# Altium PCB ModuleBackup4.PcbDoc (part 2 of 3)
Units mil, origin at the board's own origin, x right, y up, seen from the top; angles counter-clockwise.
Board outline 59055.12 x 27559.06 mil, 2 copper layers (Top Layer, Bottom Layer); 175 components, 153 nets, 566 pads, 403 vias.
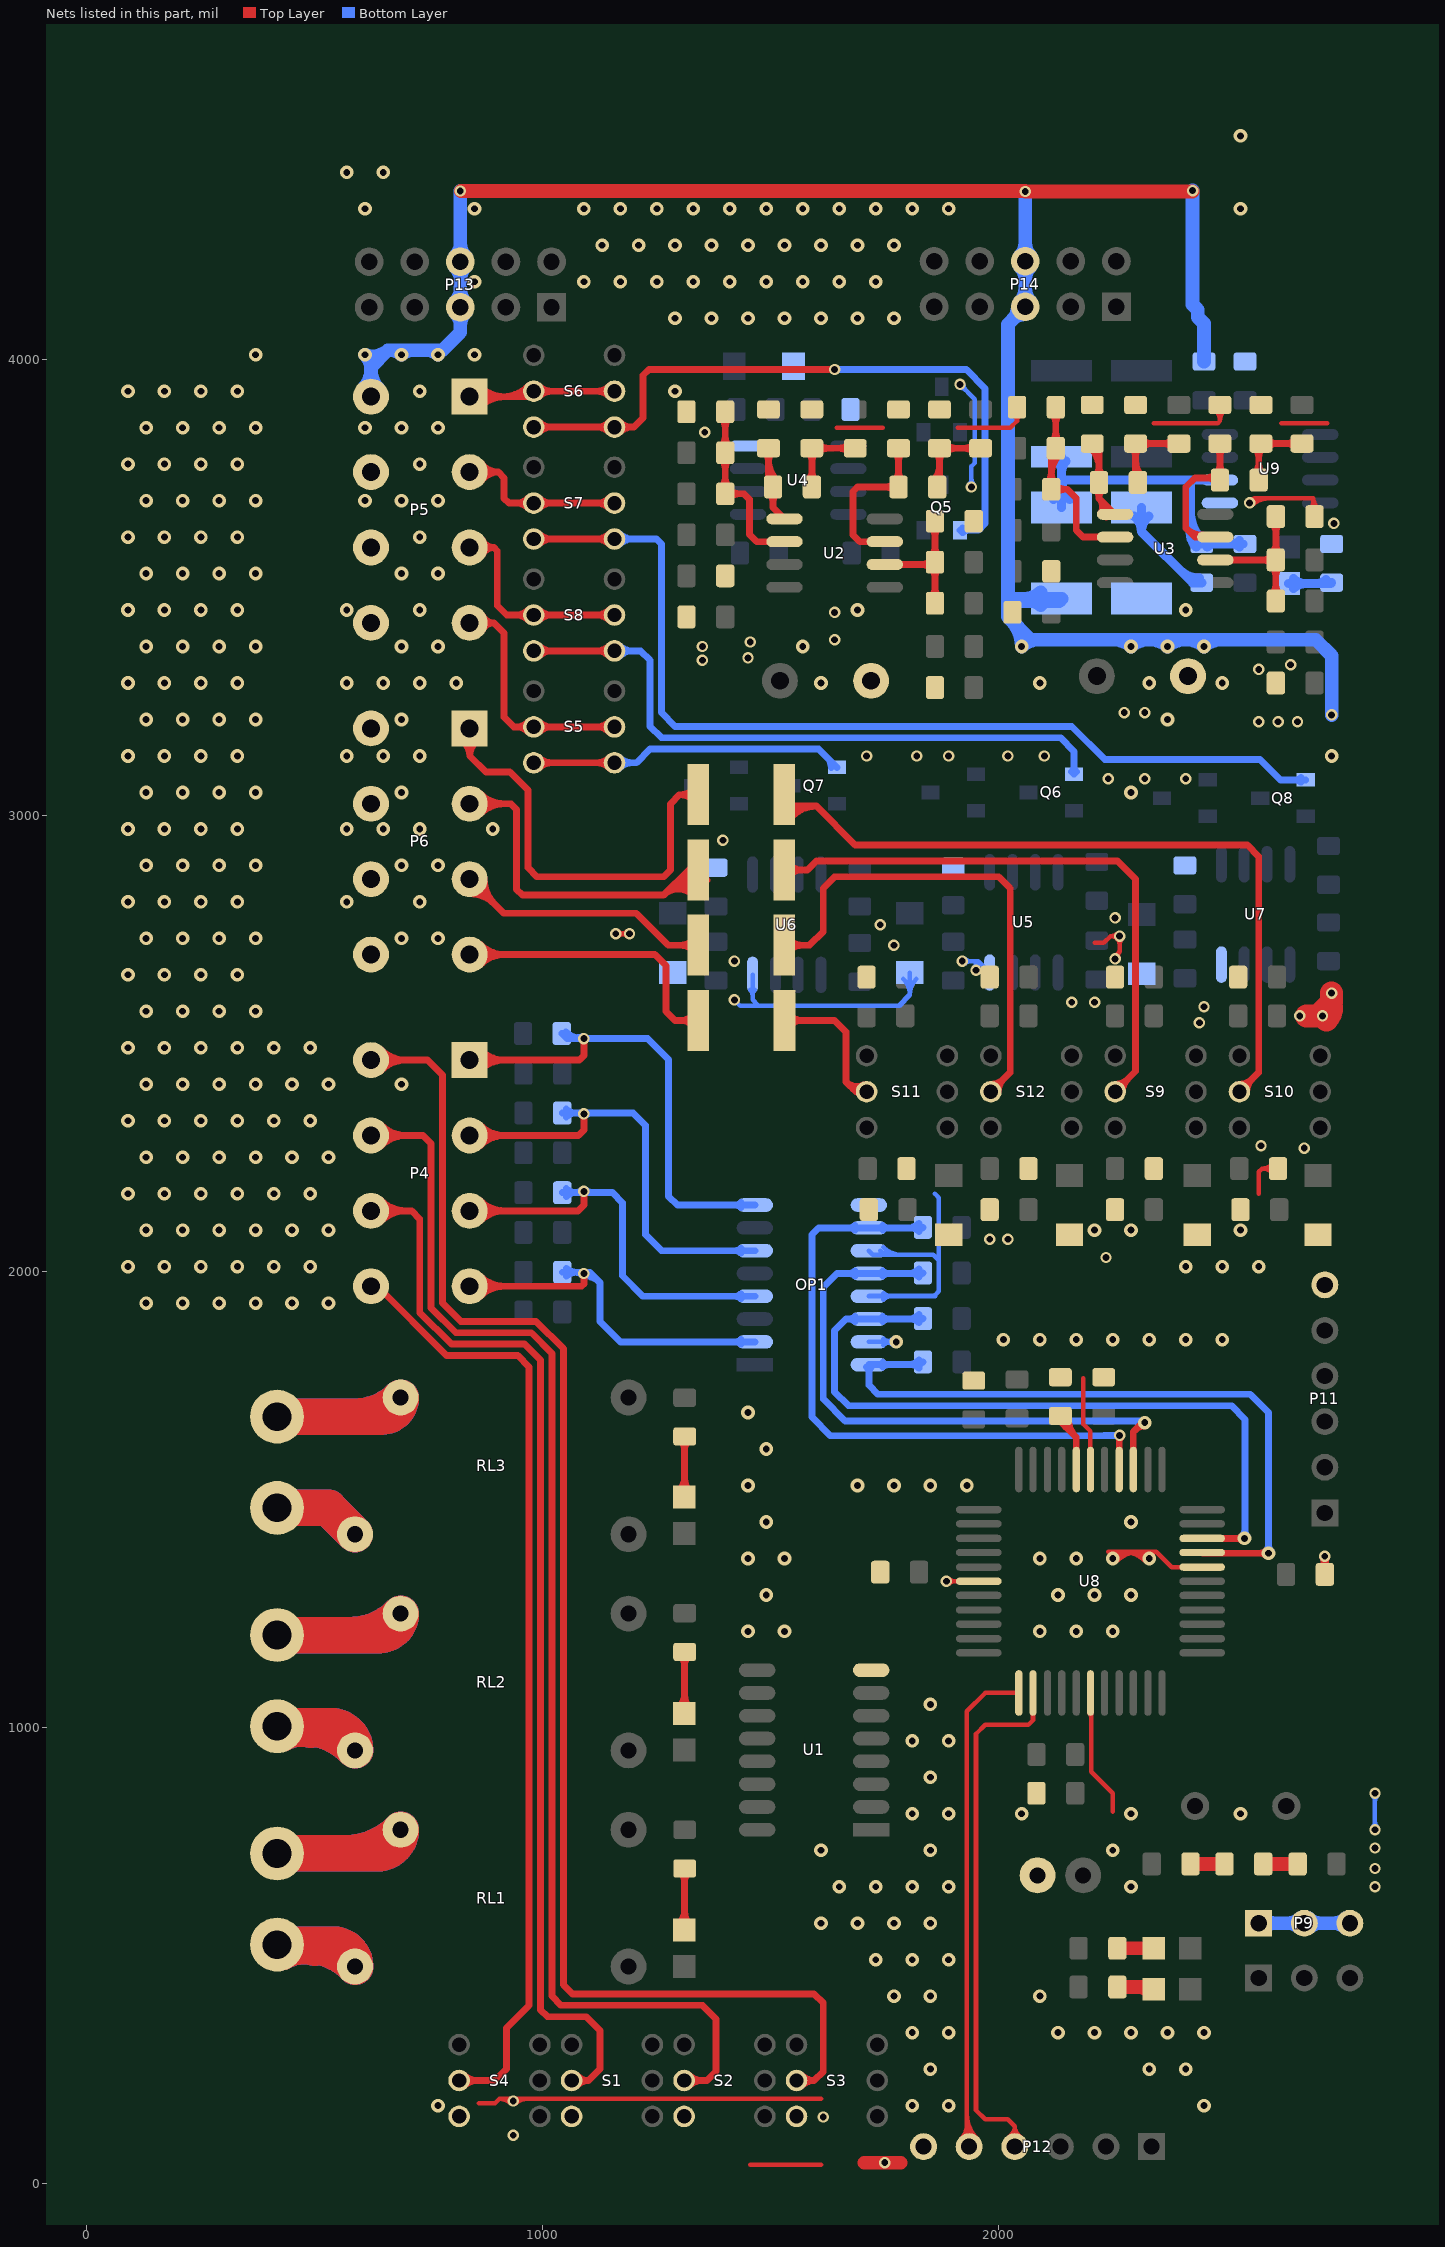
[diagram p2: the nets of this part, all layers, seen from the top]

## Via types
v1: diameter 30, hole 15, Top Layer to Bottom Layer, tented both sides, 305 vias
v2: diameter 25, hole 15, Top Layer to Bottom Layer, tented both sides, 90 vias
v3: diameter 35, hole 25, Top Layer to Bottom Layer, tented both sides, 7 vias
v4: diameter 35, hole 15, Top Layer to Bottom Layer, tented both sides, 1 vias

## Nets (pads, with @x,y where several pads share a name; then routed paths per layer and width w, separated by ;. In a path a pad name is that pad's centre, name@x,y a point inside that pad or via, vN(x,y) a via of type N, cw(c..) or ccw(c..) an arc to the next point about the centre after c; other vN are vias at no path point) (continued)
AI1: F2.1 P6.1 | length 1070.6
  Top Layer w15: P6.1@821.67,3164.14 cw(c798.87,3130.47) 839.54,3130.47 ; P6.1@839.54,3190.53 839.54,3130.46 ; P6.1@857.4,3164.14 ccw(c880.2,3130.47) 839.54,3130.47 ; F2.1@1329.11,3033.6 ccw(c1301.59,3006.08) 1301.59,3045 ccw(c1301.59,3083.92) F2.1@1329.11,3056.4 ; F2.1@1340.51,3045 1300,3045 1280,3025 1280,2880 1265,2865 987.5,2865 967.5,2885 967.5,3055 927.5,3095 875,3095 839.54,3130.46
AI2: F1.1 P6.3 | length 1178.4
  Top Layer w15: P6.3@839.54,3025.18 929.82,3025.18 942.5,3012.5 942.5,2837.5 955.18,2824.82 1264.82,2824.82 ; P6.3@851.46,3013.25 cw(c880.27,2984.45) 880.27,3025.18 cw(c880.26,3065.9) P6.3@851.46,3037.11 ; P6.3@862.07,3002.64 cw(c916.48,2948.23) 916.48,3025.18 ; P6.3@862.07,3047.71 ccw(c916.47,3102.12) 916.47,3025.18 ; 1275.54,2835.54 cw(c1307.81,2803.28) F1.1@1339.73,2835.89 ; 1286.27,2846.27 cw(c1318.42,2814.12) F1.1@1350.22,2846.61 ; 1296.99,2856.99 cw(c1329.02,2824.95) F1.1@1360.71,2857.33 ; F1.1@1329.24,2825.17 ccw(c1297.21,2792.44) 1264.82,2824.82 ; F1.1@1340.51,2880 1320,2880 1264.82,2824.82
AI3: F4.1 P6.5 | length 806.9
  Top Layer w15: P6.5@839.54,2827.95 cw(c839.54,2751.01) 893.94,2805.42 cw(c948.35,2859.82) P6.5@871.41,2859.82 ; P6.5@839.54,2842.95 cw(c839.54,2802.22) 868.33,2831.02 cw(c897.13,2859.82) P6.5@856.41,2859.82 ; P6.5@839.54,2859.82 914.36,2785 1205,2785 1275,2715 F4.1@1340.51,2715 ; F4.1@1329.11,2703.6 ccw(c1301.59,2676.08) 1301.59,2715 ccw(c1301.59,2753.92) F4.1@1329.11,2726.4
AI4: F3.1 P6.7 | length 865.9
  Top Layer w15: P6.7@839.54,2694.47 1245.53,2694.47 1270,2670 1270,2570 1290,2550 F3.1@1341.02,2550 ; P6.7@851.46,2682.54 cw(c880.26,2653.74) 880.26,2694.47 cw(c880.26,2735.2) P6.7@851.46,2706.4 ; P6.7@862.07,2671.93 cw(c916.48,2617.53) 916.48,2694.47 cw(c916.48,2771.41) P6.7@862.07,2717 ; F3.1@1329.62,2538.6 ccw(c1302.1,2511.08) 1302.1,2550 ccw(c1302.1,2588.92) F3.1@1329.62,2561.4
AOMA1: P5.1 S6.1 S6.4 | length 726.8
  Top Layer w15: P5.1@839.54,3918 968,3918 S6.4@980,3930 S6.1@1157.16,3930 ; P5.1@851.46,3906.07 cw(c880.26,3877.27) 880.26,3918 cw(c880.26,3958.73) P5.1@851.46,3929.93 ; P5.1@862.07,3895.46 cw(c916.48,3841.06) 916.48,3918 cw(c916.48,3994.94) P5.1@862.07,3940.54 ; 912.11,3918 ccw(c912.11,3997.89) S6.4@968.6,3941.4 ; 948.32,3918 ccw(c948.32,3961.68) S6.4@979.2,3930.79 ; S6.4@991.4,3918.6 cw(c1018.92,3891.08) 1018.92,3930 cw(c1018.92,3968.92) S6.4@991.4,3941.4 ; S6.1@1145.76,3918.6 ccw(c1118.24,3891.08) 1118.24,3930 ccw(c1118.24,3968.92) S6.1@1145.76,3941.4
AOMA2: P5.3 S7.1 S7.4 | length 641.9
  Top Layer w15: P5.3@839.54,3752.65 902.35,3752.65 ; P5.3@865.25,3733.82 cw(c902.35,3706.68) 902.35,3752.65 ; P5.3@865.25,3771.47 ccw(c902.35,3798.62) 902.35,3752.65 ; S7.4@968.6,3673.18 ccw(c941.08,3645.66) 941.08,3684.58 ccw(c941.08,3723.5) S7.4@968.6,3695.98 ; S7.4@991.4,3673.18 cw(c1018.92,3645.66) 1018.92,3684.58 cw(c1018.92,3723.5) S7.4@991.4,3695.98 ; S7.1@1145.77,3673.18 ccw(c1118.24,3645.66) 1118.24,3684.58 ccw(c1118.24,3723.5) S7.1@1145.77,3695.98 ; S7.1@1157.17,3684.58 S7.4@980,3684.58 925.42,3684.58 915,3695 915,3740 902.35,3752.65
AOMA3: P5.5 S8.1 S8.4 | length 694.1
  Top Layer w15: P5.5@839.54,3587.29 892.71,3587.29 ; P5.5@867.64,3572.27 cw(c892.71,3558.87) 892.71,3587.29 ; P5.5@867.64,3602.31 ccw(c892.71,3615.71) 892.71,3587.29 ; S8.4@968.6,3427.76 ccw(c941.08,3400.24) 941.08,3439.16 ccw(c941.08,3478.08) S8.4@968.6,3450.56 ; S8.4@991.4,3427.76 cw(c1018.92,3400.24) 1018.92,3439.16 cw(c1018.92,3478.08) S8.4@991.4,3450.56 ; S8.1@1145.77,3427.76 ccw(c1118.24,3400.24) 1118.24,3439.16 ccw(c1118.24,3478.08) S8.1@1145.77,3450.56 ; S8.1@1157.17,3439.16 S8.4@980,3439.16 920.84,3439.16 900,3460 900,3580 892.71,3587.29
AOMA4: P5.7 S5.1 S5.4 | length 766.3
  Top Layer w15: P5.7@839.54,3421.94 893.06,3421.94 ; P5.7@867.55,3406.75 cw(c893.06,3392.93) 893.06,3421.94 ; P5.7@867.55,3437.12 ccw(c893.06,3450.95) 893.06,3421.94 ; S5.4@968.6,3182.34 ccw(c941.08,3154.82) 941.08,3193.74 ccw(c941.08,3232.66) S5.4@968.6,3205.14 ; S5.4@991.4,3182.34 cw(c1018.92,3154.82) 1018.92,3193.74 cw(c1018.92,3232.66) S5.4@991.4,3205.14 ; S5.1@1145.77,3182.34 ccw(c1118.24,3154.82) 1118.24,3193.74 ccw(c1118.24,3232.66) S5.1@1145.77,3205.14 ; S5.1@1157.17,3193.74 936.26,3193.74 915,3215 915,3400 893.06,3421.94
AREF: C29.2 U8.29 | length 210.1
  Top Layer w15: C29.2@2135,1682.5 2135,1670 2170,1635 ; C29.2@2137.51,1682.67 ccw(c2168.83,1680.57) 2146.63,1658.37 ; C29.2@2152.47,1681.67 ccw(c2212.64,1677.64) 2170,1635 ; U8.29@2170,1565 2170,1635
DI1: OP1.2 P4.7 R27.2 | length 1114.2
  Top Layer w15: P4.7@839.54,1967 1085,1967 1090,1972 v2(1090,1995) ; P4.7@851.46,1955.07 cw(c880.26,1926.27) 880.26,1967 cw(c880.26,2007.73) P4.7@851.46,1978.93 ; P4.7@862.07,1944.46 cw(c916.48,1890.06) 916.48,1967 cw(c916.48,2043.94) P4.7@862.07,1989.54
  Bottom Layer w15: R27.2@1042.5,1997.72 v2@1090,1997.72 ; R27.2@1051.34,1988.88 cw(c1072.68,1967.54) 1072.68,1997.72 cw(c1072.68,2027.89) R27.2@1051.34,2006.55 ; 1071.37,1997.72 cw(c1071.37,1976.37) v2@1086.46,1991.46 ; v2@1090,1990 cw(c1090,1941.72) 1124.14,1975.86 ; 1102.28,1997.72 1125,1975 1125,1890 1170,1845 OP1.2@1465,1845 ; OP1.2@1434.7,1839.7 ccw(c1421.89,1826.89) 1421.89,1845 ccw(c1421.89,1863.11) OP1.2@1434.7,1850.3
DI1_1: P4.8 S4.1 | length 2156.1
  Top Layer w15: P4.8@623,1967 636.93,1967 788.93,1815 945,1815 970,1790 970,390 920,340 920,250 895,225 S4.1@816.42,225 ; S4.1@827.82,213.6 cw(c855.34,186.08) 855.34,225 cw(c855.34,263.92) S4.1@827.82,236.4
DI2: OP1.4 P4.5 R24.2 | length 1190.3
  Top Layer w15: P4.5@839.54,2132.35 1077.35,2132.35 1090,2145 v2(1090,2175) ; P4.5@851.46,2120.43 cw(c880.26,2091.63) 880.26,2132.35 cw(c880.26,2173.08) P4.5@851.46,2144.28 ; P4.5@862.07,2109.82 cw(c916.48,2055.41) 916.48,2132.35 cw(c916.48,2209.3) P4.5@862.07,2154.89
  Bottom Layer w15: R24.2@1042.5,2172.29 1152.71,2172.29 1175,2150 1175,1990 1220,1945 OP1.4@1465,1945 ; R24.2@1051.34,2163.45 cw(c1072.68,2142.11) 1072.68,2172.29 cw(c1072.68,2202.47) R24.2@1051.34,2181.13 ; 1071.38,2172.29 ccw(c1071.38,2193.62) v2@1086.46,2178.54 ; v2@1093.54,2178.54 ccw(c1108.62,2193.62) 1108.62,2172.29 ; OP1.4@1434.7,1939.7 ccw(c1421.89,1926.89) 1421.89,1945 ccw(c1421.89,1963.11) OP1.4@1434.7,1950.3
DI2_2: P4.6 S1.1 | length 2600.2
  Top Layer w15: P4.6@623,2132.35 712.65,2132.35 730,2115 730,1909.29 799.29,1840 960,1840 995,1805 995,380 1010,365 1095,365 1125,335 1125,250 1100,225 ; P4.6@634.93,2120.43 cw(c663.73,2091.63) 663.73,2132.35 cw(c663.73,2173.08) P4.6@634.93,2144.28 ; P4.6@645.54,2109.82 cw(c699.94,2055.41) 699.94,2132.35 cw(c699.94,2209.3) P4.6@645.54,2154.89 ; S1.1@1063.08,225 1100,225 ; S1.1@1074.91,214.04 cw(c1100,190.8) 1100,225 ; S1.1@1074.91,235.96 ccw(c1100,259.2) 1100,225
DI3: OP1.6 P4.3 R25.2 | length 1268.3
  Top Layer w15: P4.3@839.54,2297.71 1077.71,2297.71 1090,2310 v2(1090,2345) ; P4.3@851.46,2285.78 cw(c880.26,2256.98) 880.26,2297.71 cw(c880.26,2338.44) P4.3@851.46,2309.64 ; P4.3@862.07,2275.17 cw(c916.48,2220.77) 916.48,2297.71 cw(c916.48,2374.65) P4.3@862.07,2320.24
  Bottom Layer w15: R25.2@1042.5,2346.86 1198.14,2346.86 1225,2320 1225,2080 1260,2045 OP1.6@1465,2045 ; R25.2@1051.34,2338.02 cw(c1072.68,2316.68) 1072.68,2346.86 cw(c1072.68,2377.04) R25.2@1051.34,2355.7 ; 1073.44,2346.86 cw(c1073.44,2328.44) v2@1086.46,2341.46 ; v2@1093.54,2341.46 cw(c1106.56,2328.44) 1106.56,2346.86 ; OP1.6@1434.7,2039.7 ccw(c1421.89,2026.89) 1421.89,2045 ccw(c1421.89,2063.11) OP1.6@1434.7,2050.3
DI3_3: P4.4 S2.1 | length 3036
  Top Layer w15: P4.4@623,2297.71 737.29,2297.71 755,2280 755,1919.64 809.64,1865 974.64,1865 1020,1819.64 1020,410 1040,390 1350,390 1380,360 1380,245 1360,225 S2.1@1309.75,225 ; P4.4@634.93,2285.78 cw(c663.73,2256.98) 663.73,2297.71 cw(c663.73,2338.44) P4.4@634.93,2309.64 ; P4.4@645.54,2275.17 cw(c699.94,2220.77) 699.94,2297.71 cw(c699.94,2374.65) P4.4@645.54,2320.24 ; S2.1@1321.15,213.6 cw(c1348.67,186.08) 1348.67,225 cw(c1348.67,263.92) S2.1@1321.15,236.4
DI4: OP1.8 P4.1 R26.2 | length 1312.3
  Top Layer w15: P4.1@839.54,2463.06 1080,2463.06 1090,2473.06 v2(1090,2510) ; P4.1@851.46,2451.13 cw(c880.26,2422.34) 880.26,2463.06 cw(c880.27,2503.79) P4.1@851.46,2474.99 ; P4.1@862.07,2440.53 cw(c916.47,2386.12) 916.47,2463.06 ; P4.1@862.07,2485.6 ccw(c916.48,2540.01) 916.48,2463.06
  Bottom Layer w15: R26.2@1041.5,2521.43 1052.93,2510 v2(1090,2510) 1230,2510 1275.93,2464.07 1275.93,2164.07 1295,2145 OP1.8@1465,2145 ; R26.2@1050.34,2525.27 ccw(c1087.2,2562.13) v2@1087.2,2510 ; 1076.46,2512.88 ccw(c1080.23,2526.93) v2@1087.5,2514.33 ; OP1.8@1434.7,2139.7 ccw(c1421.89,2126.89) 1421.89,2145 ccw(c1421.89,2163.11) OP1.8@1434.7,2150.3
DI4_4: P4.2 S3.1 | length 3420.7
  Top Layer w15: P4.2@623,2463.06 746.94,2463.06 780,2430 780,1930 820,1890 985,1890 1045,1830 1045,435 1065,415 1595,415 1615,395 1615,245 1595,225 ; P4.2@634.93,2451.13 cw(c663.73,2422.34) 663.73,2463.06 cw(c663.73,2503.79) P4.2@634.93,2474.99 ; P4.2@645.54,2440.53 cw(c699.94,2386.12) 699.94,2463.06 cw(c699.94,2540.01) P4.2@645.54,2485.6 ; S3.1@1556.42,225 1595,225 ; S3.1@1567.89,213.67 cw(c1595,186.9) 1595,225 ; S3.1@1567.89,236.33 ccw(c1595,263.1) 1595,225
DO1: P1.2 RL1.3 | length 939.2
  Top Layer w80: P1.2@417,523 540,523 ; P1.2@426.53,506.5 cw(c474.55,423.31) 499.41,516.09 ; P1.2@473.64,523 cw(c473.64,360.64) RL1.3@588.45,475.45 ; RL1.3@588,475 540,523 ; RL1.3@588.63,475.01 ccw(c540,474.37) 540,523
  Bottom Layer w80: P1.2@417,523 540,523 ; P1.2@426.53,506.5 cw(c474.55,423.31) 499.41,516.09 ; P1.2@473.64,523 cw(c473.64,360.64) RL1.3@588.45,475.45 ; RL1.3@588,475 540,523 ; RL1.3@588.63,475.01 ccw(c540,474.37) 540,523
DO1_1: P1.1 RL1.4 | length 1025.6
  Top Layer w80: P1.1@417,723 636,723 ; 563.98,723 ccw(c563.98,899.02) RL1.4@688.45,774.55 ; RL1.4@688,775 636,723 ; RL1.4@688.63,774.99 cw(c636,775.63) 636,723
  Bottom Layer w80: P1.1@417,723 636,723 ; 563.98,723 ccw(c563.98,899.02) RL1.4@688.45,774.55 ; RL1.4@688,775 636,723 ; RL1.4@688.63,774.99 cw(c636,775.63) 636,723
DO2: P2.2 RL2.3 | length 969.1
  Top Layer w80: P2.2@417,1002 535,1002 ; P2.2@426.53,985.5 cw(c469.22,911.55) 491.32,994.03 ; P2.2@461.57,1002 cw(c461.57,822.57) RL2.3@588.45,949.45 ; RL2.3@588,949 535,1002 ; RL2.3@588.63,949.01 ccw(c535,948.37) 535,1002
  Bottom Layer w80: P2.2@417,1002 535,1002 ; P2.2@426.53,985.5 cw(c469.22,911.55) 491.32,994.03 ; P2.2@461.57,1002 cw(c461.57,822.57) RL2.3@588.45,949.45 ; RL2.3@588,949 535,1002 ; RL2.3@588.63,949.01 ccw(c535,948.37) 535,1002
DO2_2: P2.1 RL2.4 | length 979
  Top Layer w80: P2.1@417,1202 641,1202 ; 576.05,1202 ccw(c576.05,1360.95) RL2.4@688.45,1248.55 ; RL2.4@688,1249 641,1202 ; RL2.4@688.63,1248.99 cw(c641,1249.63) 641,1202
  Bottom Layer w80: P2.1@417,1202 641,1202 ; 576.05,1202 ccw(c576.05,1360.95) RL2.4@688.45,1248.55 ; RL2.4@688,1249 641,1202 ; RL2.4@688.63,1248.99 cw(c641,1249.63) 641,1202
DO3: P3.2 RL3.3 | length 390
  Top Layer w80: P3.2@417,1481 530,1481 RL3.3@588,1423
  Bottom Layer w80: P3.2@417,1481 530,1481 RL3.3@588,1423
DO3_3: P3.1 RL3.4 | length 932.3
  Top Layer w80: P3.1@417,1681 646,1681 ; 588.12,1681 ccw(c588.12,1822.88) RL3.4@688.45,1722.55 ; RL3.4@688,1723 646,1681 ; RL3.4@688.63,1722.99 cw(c646,1723.63) 646,1681
  Bottom Layer w80: P3.1@417,1681 646,1681 ; 588.12,1681 ccw(c588.12,1822.88) RL3.4@688.45,1722.55 ; RL3.4@688,1723 646,1681 ; RL3.4@688.63,1722.99 cw(c646,1723.63) 646,1681
GND: C1.2 C2.2 C3.1 C4.1 C5.2 C6.2 C7.1 C8.1 C13.1 C14.1 C15.2 C16.2 C17.2 C18.2 C19.2 C20.2 C21.2 C22.2 C23.2 C24.2 C25.2 C26.2 C28.2 C29.1 C30.1 C31.2 C32.1 C33.2 C34.1 C35.2 C36.2 C37.2 D5.A D6.A DW1.A DW2.A DW3.A DW4.A OP1.9 OP1.11 OP1.13 OP1.15 P5.2 P5.4 P5.6 P5.8 P6.2 P6.4 P6.6 P6.8 P9.1 P9.2 P9.3 P11.6 P12.6 P13.5 P13.6 P14.5 P14.6 R12.2 R13.2 R14.2 R15.2 R48.1 R49.1 R50.1 R51.1 R54.2 R55.2 R56.2 R57.2 R58.2 R62.2 R63.2 R64.2 R65.2 R67.1 R68.1 R71.1 S1.3 S2.3 S3.3 S4.3 U1.8 U4.4 U5.4 U6.4 U7.4 U8.6 U8.18 U8.28 U8.39 U9.5 | length 12541.9
  Top Layer w10: 860,175 895,175 904.88,184.88 1609.88,184.88 1610,185 ; 905.11,184.88 cw(c905.11,150.11) v2@929.7,174.7 ; v2@940.3,174.7 cw(c964.89,150.11) 964.89,184.88 ; v2(1160,2740) v2(1190,2740) ; v2@1165.3,2734.7 cw(c1178.11,2721.89) 1178.11,2740 cw(c1178.11,2758.11) v2@1165.3,2745.3 ; 1174.2,2738.95 cw(c1176.58,2730.08) v2@1183.97,2735.54 ; 1174.2,2741.05 ccw(c1176.58,2749.92) v2@1183.97,2744.46 ; v2@1184.7,2734.7 ccw(c1171.89,2721.89) 1171.89,2740 ccw(c1171.89,2758.11) v2@1184.7,2745.3 ; 1455,40 1610,40 ; 1645,3850 1745,3850 ; v2(1885,1320) U8.39@1956,1320 ; v2@1890.3,1314.7 cw(c1903.11,1301.89) 1903.11,1320 cw(c1903.11,1338.11) v2@1890.3,1325.3 ; 1910,3850 2025.31,3850 2040,3864.69 ; R15.2@2032.8,3876.84 cw(c2026.14,3864.69) 2040,3864.69 ; R15.2@2040,3895 2040,3864.69 ; R15.2@2047.2,3876.84 ccw(c2053.86,3864.69) 2040,3864.69 ; 2185,1765 2185,1664.8 2201,1648.8 U8.28@2201,1565 ; U8.6@2198.88,1030.88 cw(c2190.14,1022.14) 2202.5,1022.14 ; U8.6@2201,1075 2202.5,1073.5 2202.5,902.5 2250,855 2250,815 ; 2210,2720 2230,2720 2245,2735 v2(2265,2735) 2265,2700.97 ; 2240,1385 2345,1385 2379,1351 U8.18@2446,1351 ; v1@2242.93,1377.07 cw(c2262.07,1357.93) 2262.07,1385 ; v1(2250,1370) cw(c2286.21,1333.79) 2286.21,1385 ; v2(2255,2685) 2255,2690.97 2265,2700.97 ; v1@2257.07,1362.93 cw(c2310.36,1309.64) 2310.36,1385 ; v2@2259.7,2740.3 cw(c2246.89,2753.11) 2246.89,2735 cw(c2246.89,2716.89) 2259.7,2729.7 cw(c2246.89,2716.89) 2265,2716.89 cw(c2283.11,2716.89) v2@2270.3,2729.7 ; v2@2262.04,2687.58 cw(c2274.01,2691.96) 2265,2700.97 ; 2269.64,1385 cw(c2269.64,1309.64) v1@2322.93,1362.93 ; 2293.79,1385 cw(c2293.79,1333.79) v1(2330,1370) ; 2317.93,1385 cw(c2317.93,1357.93) v1@2337.07,1377.07 ; 2340,3860 2480.31,3860 2485,3864.69 ; C8.1@2474.59,3889.2 cw(c2450.94,3864.69) 2485,3864.69 ; C8.1@2485,3900 2485,3864.69 ; C8.1@2495.41,3889.2 ccw(c2519.06,3864.69) 2485,3864.69 ; v2@2548.23,3686.77 cw(c2568.11,3666.89) 2568.11,3695 ; v2(2550,3685) 2560,3695 ; v2@2551.42,3692.37 ccw(c2553.22,3701.78) 2560,3695 ; v2@2555.3,3679.7 cw(c2592.25,3642.75) 2592.25,3695 ; v2@2557.37,3686.42 cw(c2566.78,3688.22) 2560,3695 ; 2570,2170 2570,2217.81 2577.19,2225 ; R57.2@2601.7,2214.59 ccw(c2577.19,2190.94) 2577.19,2225 ; R57.2@2601.7,2235.41 cw(c2577.19,2259.06) 2577.19,2225 ; R57.2@2612.5,2225 2577.19,2225 ; 2620,3860 2720,3860 ; R14.2@2682,3670.61 ccw(c2662.68,3689.93) 2690,3689.93 ; R14.2@2692.6,3655 2690,3657.6 2690,3695 ; R14.2@2701.55,3672.04 cw(c2718.59,3695) 2690,3695 ; C32.1@2704.66,1350.86 ccw(c2681.67,1375) v2(2715,1375) ; v2@2708.64,1371.03 cw(c2694.99,1362.5) 2710.53,1358.33 cw(c2726.08,1354.17) v2@2718.52,1368.38 ; v2@2709.7,1369.7 cw(c2696.89,1356.89) 2715,1356.89 cw(c2733.11,1356.89) v2@2720.3,1369.7 ; v2@2711.48,1368.38 cw(c2703.92,1354.17) 2719.46,1358.33 cw(c2735.01,1362.5) v2@2721.36,1371.03 ; C32.1@2715,1335 v2(2715,1375) ; C32.1@2725.34,1350.86 cw(c2748.33,1375) v2(2715,1375) ; 2560,3695 2690,3695
  Top Layer w30: v2@820,4369 v2@2058,4369 ; 1705,45 v2(1750,45) 1785,45 ; v2(2058,4368) v2@2425,4368 ; R58.2@2580,700 2580.09,699.91 C28.2@2655.5,699.91
  Top Layer w50: 2675,2560 2700,2560 2730,2590 v2(2730,2610) ; 2718.84,2551.16 ccw(c2691.89,2578.11) 2730,2578.11 cw(c2691.89,2578.11) 2718.84,2551.16
  Bottom Layer w10: v2(1420,2595) 1432.5,2582.5 1472.5,2582.5 ; U6.4@1455.05,2617.05 cw(c1443.1,2605.1) 1460,2605.1 cw(c1476.9,2605.1) U6.4@1464.95,2617.05 ; U6.4@1460,2650 1460,2595 1472.5,2582.5 ; OP1.15@1715,1845 v1(1775,1845) ; OP1.11@1715,2045 1723.91,2036.09 1856.24,2036.09 1868.54,2023.79 ; OP1.11@1740,2045 ccw(c1761.52,2066.51) 1761.52,2036.09 ; OP1.15@1747.07,1837.93 cw(c1764.14,1820.86) 1764.14,1845 cw(c1764.14,1869.14) OP1.15@1747.07,1852.07 ; OP1.11@1747.07,2052.07 ccw(c1785.66,2090.66) 1785.66,2036.09 ; 1756.77,1843.02 cw(c1759.16,1834.12) v1@1766.76,1839.34 ; 1756.77,1846.97 ccw(c1759.16,1855.87) v1@1766.76,1850.66 ; 1757.51,1843.22 ccw(c1753.74,1857.27) v1@1766.34,1850 ; 1757.51,1846.78 cw(c1753.74,1832.73) v1@1766.34,1840 ; 1761.52,1946.09 cw(c1761.52,1966.52) 1747.07,1952.07 ccw(c1764.14,1969.14) 1764.14,1945 ccw(c1764.14,1920.86) 1747.07,1937.93 cw(c1766.77,1918.23) 1766.77,1946.09 ; v1@1767.93,1837.93 ccw(c1750.86,1820.86) 1750.86,1845 ccw(c1750.86,1869.14) v1@1767.93,1852.07 ; C22.2@1790.86,2640.86 cw(c1756.72,2606.72) 1805,2606.72 cw(c1853.28,2606.72) C22.2@1819.14,2640.86 ; 1803.75,2606.25 1780,2582.5 ; C22.2@1805,2655 1805,2605 1782.5,2582.5 1780,2582.5 ; 1860,2170 1868.54,2161.46 1868.54,2023.79 ; 1860.38,1945 OP1.13@1715,1945 1716.09,1946.09 1860.38,1946.09 1860.38,1947.93 1868.54,1956.09 1868.54,2023.79 ; v2@1915,3937.5 cw(c1915,3919.39) 1927.8,3932.2 cw(c1940.61,3945) v2@1922.5,3945 ; v2(1915,3945) 1947.5,3912.5 1947.5,3772.5 1940,3765 v2(1940,3720) ; v2(1920,2680) 1945,2680 ; v2@1925.3,2674.7 cw(c1938.11,2661.89) 1938.11,2680 cw(c1938.11,2698.11) v2@1925.3,2685.3 ; v2@1934.7,3725.3 ccw(c1921.89,3738.11) 1940,3738.11 ccw(c1958.11,3738.11) v2@1945.3,3725.3 ; v2@1945.5,2666 ccw(c1938.75,2675) 1950,2675 ; v2(1950,2660) 1950,2675 ; v2@1954.5,2666 cw(c1961.25,2675) 1950,2675 ; U5.4@1980,2655 1955,2680 1945,2680 ; v2(2255,2685) cw(c2255,2680) v2@2260,2680 ; v2@2819.7,780.3 ccw(c2806.89,793.11) 2825,793.11 ccw(c2843.11,793.11) v2@2830.3,780.3 ; v2@2819.7,849.7 cw(c2806.89,836.89) 2825,836.89 cw(c2843.11,836.89) v2@2830.3,849.7 ; v2(2825,775) v2(2825,855) ; 1472.5,2582.5 1780,2582.5 ; 1945,2680 1950,2675